# Altium PCB GBA_V1.PcbDoc (part 1 of 4) (continued)
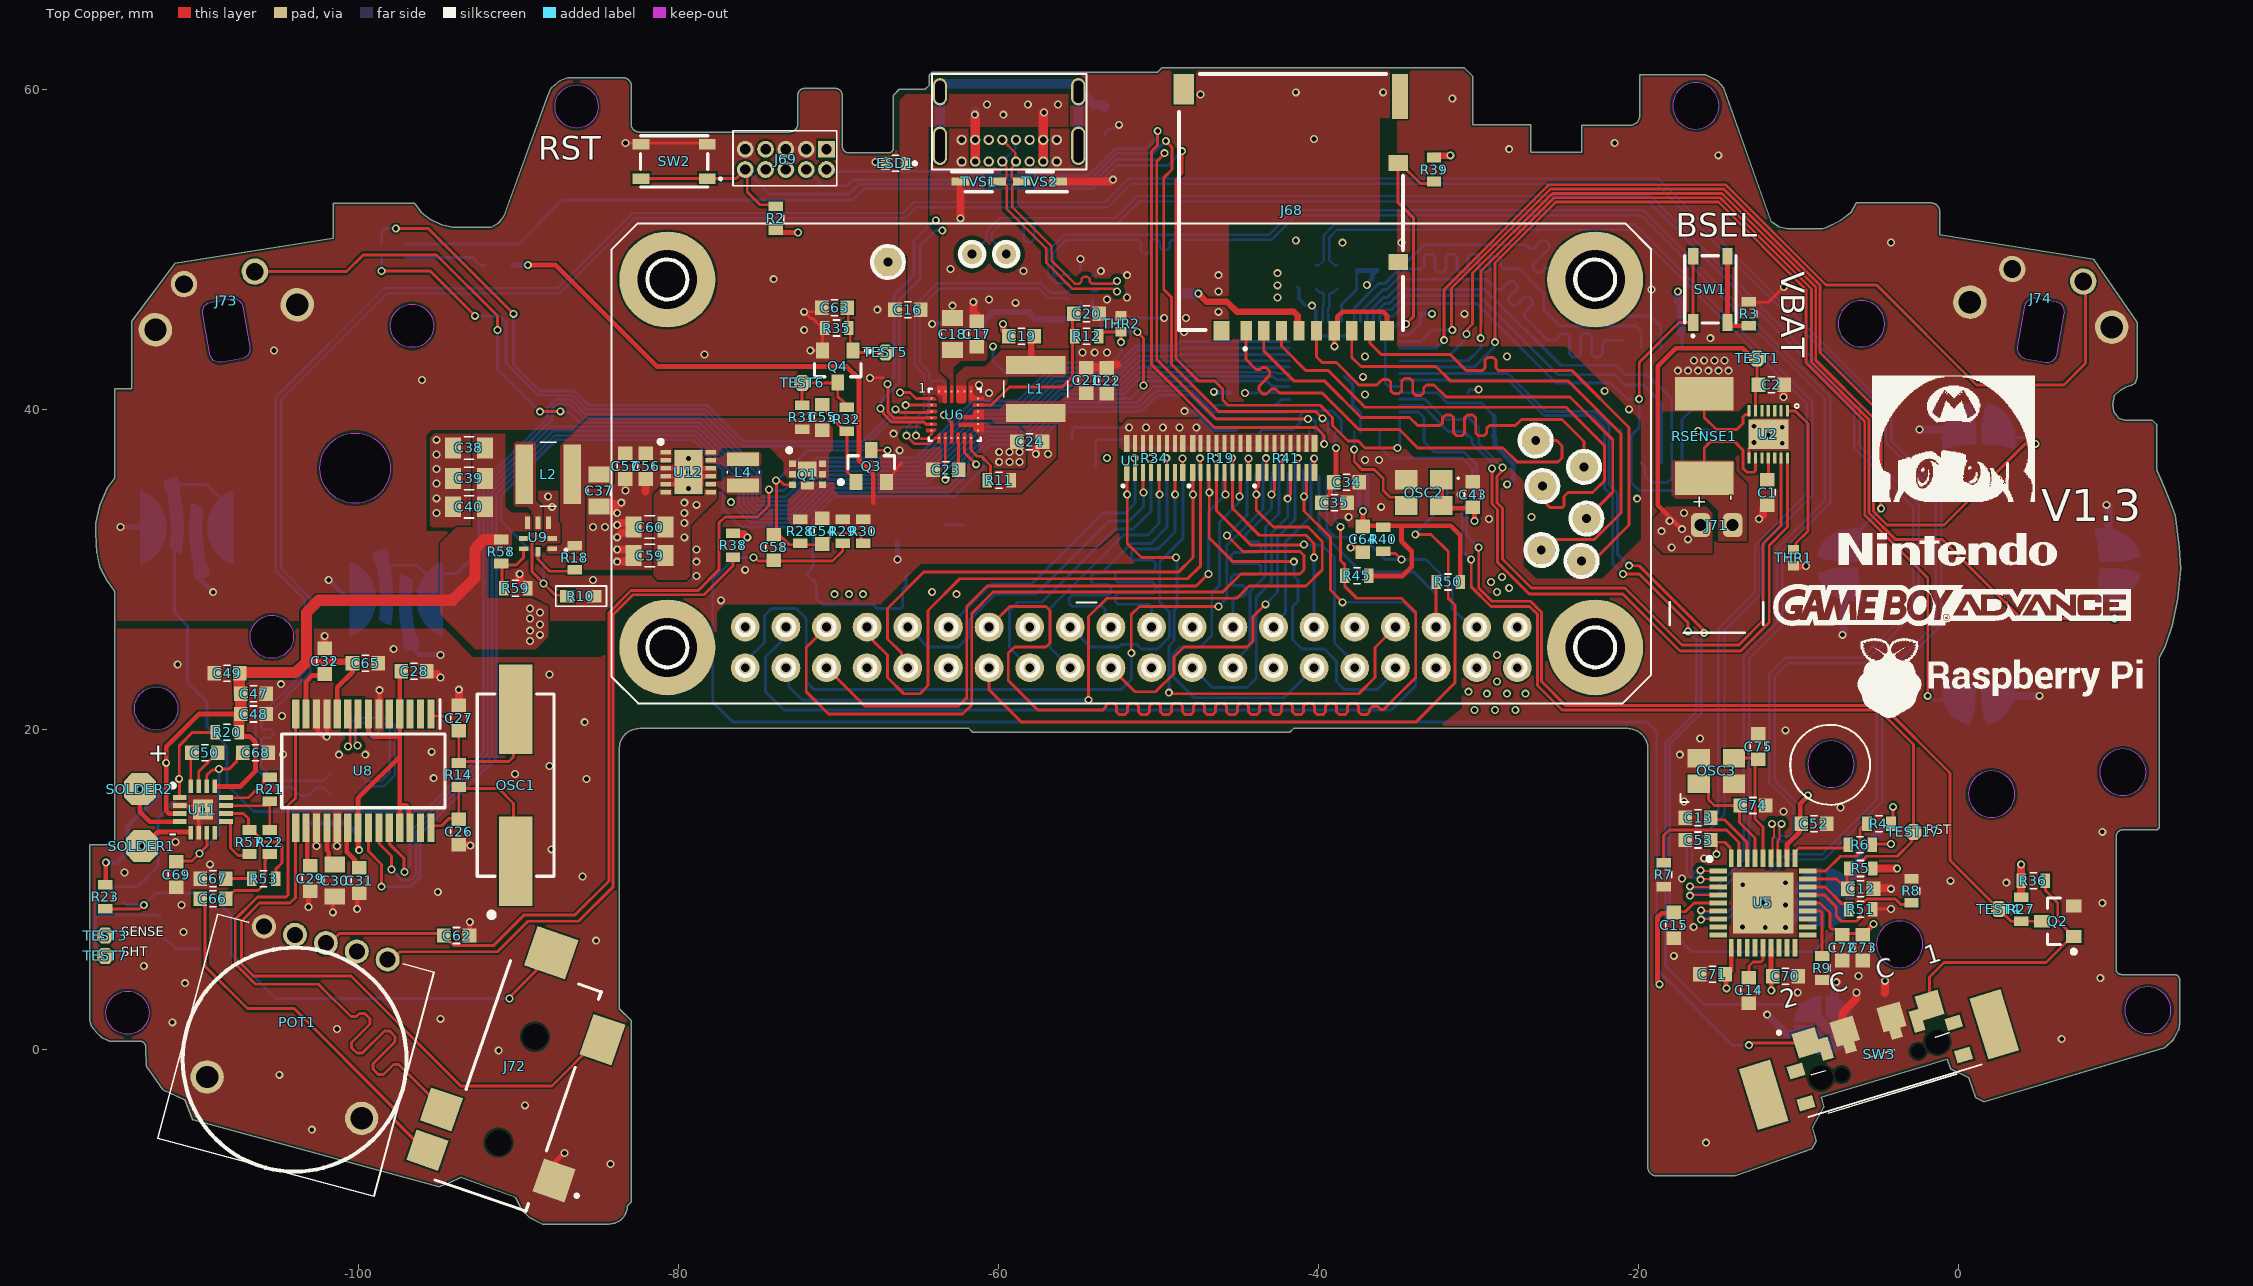
[diagram p0: Top Copper view]
## Classes and differential pairs
component class USBHOST: C12 C13 C14 C15 C52 C53 C70 C71 C72 C73 C74 C75 OSC3 R4 R5 R6 R7 R8 R9 R51 TEST17 U5
net class USB_HUB_LANES: POST_DR_DAC_N POST_DR_DAC_P RPI_USB_N RPI_USB_P USB_D2_N USB_D2_P USB_OUT_PICO_N USB_OUT_PICO_P
net class SDIO/MMC: SDX_CLK SDX_CMD SDX_D0 SDX_D1 SDX_D2 SDX_D3
net class RGB24Bit: DB_0 DB_1 DB_2 DB_3 DB_4 DB_5 DB_6 DB_7 DCLK DG_0 DG_1 DG_2 DG_3 DG_4 DG_5 DG_6 DG_7 DR_0 DR_1 DR_2 DR_3 DR_4 DR_5 DR_6 DR_7 GPIO_2 GPIO_3
net class USB_CHARGER: CHARGER_MUX_N CHARGER_MUX_P CHARGER_N CHARGER_P
net class USB_ZEROW: RPI_USB_N RPI_USB_P
component class GBA: J3 J4 J5 J6 J7 J8 J9 J10 J11 J12 J13 J14 J15 J16 J17 J18 J19 J20 J21 J22 J23 J24 J25 J26 J27 J28 J29 J30 J31 J32 J33 J34 J35 J36 J37 J38 J39 J40 J41 J42 J43 J44 J45 J46 J47 J48 J49 J50 J51 J52 J53 J54 J55 J56 J57 J58 J59 J60 J61 J62 J63 J64 J65 J66
net class USB_LANES_RP2040: USB_OUT_PICO_N USB_OUT_PICO_P USB_PICO_N USB_PICO_P
net class USB_LANES_AUDIO_INTERNAL: DR_DAC_N DR_DAC_P POST_DR_DAC_N POST_DR_DAC_P
net class DIFF90: CHARGER_MUX_N CHARGER_MUX_P CHARGER_N CHARGER_P DR_DAC_N DR_DAC_P POST_DR_DAC_N POST_DR_DAC_P RPI_USB_N RPI_USB_P USB_D2_N USB_D2_P USB_OUT_PICO_N USB_OUT_PICO_P USB_PICO_N USB_PICO_P
component class AUDIO: C26 C27 C28 C29 C30 C31 C32 C47 C48 C49 C50 C51 C65 C66 C67 C68 C69 J72 OSC1 Q5 R14 R15 R16 R17 R20 R21 R22 R23 R24 R53 R57 SOLDER1 SOLDER2 TEST3 TEST7 U8 U11
component class D_PI_USB: C41 C42 C61 C64 D1 FPC1 J4 J5 J6 J7 J8 J9 J10 J11 J12 J13 J14 J15 J16 J17 J18 J19 J20 J21 J22 J23 J24 J25 J26 J27 J28 J29 J30 J31 J32 J33 J34 J35 J36 J37 J38 J39 J40 J41 J42 J43 J44 J45 J46 J47 J48 J49 J50 J51 J52 J53 J54 J55 J56 J57 J58 J59 J60 J61 J62 J63 J64 J65 J66 J68 L5 R19 R25 R34 R39 R40 R41 R42 R45 R50 R52 TEST2 U1 U10
component class MCU: C3 C4 C5 C6 C7 C8 C9 C10 C11 C33 C34 C35 C36 C43 C62 J1 J2 J69 J73 J74 J75 OSC2 POT1 R1 R2 R3 R38 R46 R47 R48 R49 SW1 SW2 U3 U4
component class POWER: B1 C1 C2 C16 C17 C18 C19 C20 C21 C22 C23 C24 C25 C37 C38 C39 C40 C54 C55 C56 C57 C58 C59 C60 C63 ESD1 J70 J71 L1 L2 L3 L4 Q1 Q2 Q3 Q4 R10 R11 R12 R13 R18 R26 R27 R28 R29 R30 R31 R32 R35 R36 R44 R58 R59 RSENSE1 SW3 TEST1 TEST4 TEST5 TEST6 THR1 THR2 TVS1 TVS2 TVS3 U2 U6 U7 U9 U12 U13
differential pair USB_D2: +USB_D2_P -USB_D2_N
differential pair USB_OUT_PICO: +USB_OUT_PICO_P -USB_OUT_PICO_N
differential pair POST_DR_DAC: +POST_DR_DAC_P -POST_DR_DAC_N
differential pair CHARGER: +CHARGER_P -CHARGER_N
differential pair CHARGER_MUX: +CHARGER_MUX_P -CHARGER_MUX_N
differential pair RPI_USB: +RPI_USB_P -RPI_USB_N
differential pair USB_PICO: +USB_PICO_P -USB_PICO_N
differential pair DR_DAC: +DR_DAC_P -DR_DAC_N

## Components (designator, comment, footprint, x,y, rotation, side; value= is the part's Value field where it differs from the comment)
B1 "120OHM 0603 1LN" "R 0603/1608"#1 -53.34,58.039 r90 bottom
C1 "0.47uF 6.3 X5R 0603" "C 0603/1608" -11.938,34.798 r90 top
C2 "0.1uF X7R 10V 0603" "C 0603/1608" -11.684,41.529 r0 top
C3 "0.1uF X7R 25V 0603" "C 0603/1608" -32.766,45.974 r180 bottom
C4 "0.1uF X7R 25V 0603" "C 0603/1608" -44.323,38.735 r0 bottom
C5 "0.1uF X7R 25V 0603" "C 0603/1608" -31.75,41.021 r180 bottom
C6 "0.1uF X7R 25V 0603" "C 0603/1608" -44.704,41.021 r180 bottom
C7 "0.1uF X7R 25V 0603" "C 0603/1608" -44.311,45.201 r180 bottom
C8 "0.1uF X7R 25V 0603" "C 0603/1608" -44.311,46.598 r180 bottom
C9 "0.1uF X7R 25V 0603" "C 0603/1608" -44.327,47.868 r180 bottom
C10 "0.1uF X7R 25V 0603" "C 0603/1608" -37.592,49.53 r90 bottom
C11 "0.1uF X7R 25V 0603" "C 0603/1608" -36.322,49.53 r90 bottom
C12 "0.1uF X7R 25V 0603" "C 0603/1608" -6.096,10.033 r0 top
C13 "0.1uF X7R 25V 0603" "C 0603/1608" -16.256,14.478 r180 top
C14 "0.1uF X7R 25V 0603" "C 0603/1608" -13.081,3.683 r270 top
C15 "0.1uF X7R 25V 0603" "C 0603/1608" -17.78,7.747 r270 top
C16 "2.2uF 25V X5R 0603" "C 0603/1608" -65.659,46.228 r0 top
C17 "10uF 25V X5R 0603" "C 0603/1608" -61.341,44.704 r270 top
C18 "22uF X5R 25V 0805" "C 0805/2012" -62.865,44.704 r270 top
C19 "0.1uF X7R 25V 0603" "C 0603/1608" -58.547,44.577 r0 top
C20 "2.2uF 25V X5R 0603" "C 0603/1608" -54.483,45.974 r0 top
C21 "10uF 25V X5R 0603" "C 0603/1608" -54.508,41.813 r90 top
C22 "10uF 25V X5R 0603" "C 0603/1608" -53.213,41.783 r90 top
C23 "2.2uF 25V X5R 0603" "C 0603/1608" -63.28,36.229 r180 top
C24 "10uF 25V X5R 0603" "C 0603/1608" -58.039,37.973 r0 top
C25 "0.1uF X7R 10V 0603" "C 0603/1608" -55.499,44.831 r270 bottom
C26 "30pF 100V C0G 5%" "C 0603/1608" -93.726,13.589 r270 top
C27 "30pF 100V C0G 5%" "C 0603/1608" -93.726,20.701 r90 top
C28 "1UF 25v X5R 0603" "C 0603/1608" -96.52,23.622 r0 top
C29 "1UF 25v X5R 0603" "C 0603/1608" -102.997,10.668 r90 top
C30 "10uF 16V X7R 0805" "C 0805/2012" -101.473,10.541 r270 top
C31 "1UF 25v X5R 0603" "C 0603/1608" -99.949,10.541 r90 top
C32 "1UF 25v X5R 0603" "C 0603/1608" -102.108,24.257 r270 top
C33 "1UF 25v X5R 0603" "C 0603/1608" -41.302,48.493 r90 bottom
C34 "0.1uF X7R 25V 0603" "C 0603/1608" -38.227,35.433 r0 top
C35 "0.1uF X7R 25V 0603" "C 0603/1608" -38.989,34.163 r0 top
C36 "0.1uF X7R 25V 0603" "C 0603/1608" -18.288,46.609 r180 bottom
C37 "22uF X5R 25V 0805" "C 0805/2012" -84.963,34.925 r270 top
C38 "22uF X5R 25V 0805" "C 0805/2012" -93.091,37.592 r180 top
C39 "22uF X5R 25V 0805" "C 0805/2012" -93.091,35.687 r180 top
C40 "22uF X5R 25V 0805" "C 0805/2012" -93.091,33.909 r180 top
C41 "4.7uF 25V X5R 0603" "C 0603/1608" -65.976,28.385 r0 bottom
C42 "1UF 25v X5R 0603" "C 0603/1608" -62.992,30.48 r270 bottom
C43 "0.1uF X7R 25V 0603" "C 0603/1608" -30.353,34.671 r90 top
C47 "0.1uF X7R 25V 0603" "C 0603/1608" -106.553,22.225 r180 top
C48 "0.1uF X7R 25V 0603" "C 0603/1608" -106.553,20.955 r180 top
C49 "10uF 25V X5R 0603" "C 0603/1608" -108.204,23.495 r0 top
C50 "4.7uF 25V X5R 0603" "C 0603/1608" -109.601,18.542 r0 top
C51 "0.1uF X7R 25V 0603" "C 0603/1608" -109.982,7.112 r90 bottom
C52 "0.1uF X7R 25V 0603" "C 0603/1608" -9.017,14.097 r0 top
C53 "0.1uF X7R 25V 0603" "C 0603/1608" -16.256,13.081 r180 top
C54 "0.1uF X7R 25V 0603" "C 0603/1608" -70.993,32.385 r90 top
C55 "10uF 25V X5R 0603" "C 0603/1608" -70.993,39.497 r90 top
C56 "10uF 25V X5R 0603" "C 0603/1608" -82.042,36.449 r270 top
C57 "10uF 25V X5R 0603" "C 0603/1608" -83.312,36.449 r270 top
C58 "1uF 25V X5R 0603" "C 0603/1608" -74.041,31.369 r90 top
C59 "22uF X5R 25V 0805" "C 0805/2012" -81.788,30.861 r180 top
C60 "22uF X5R 25V 0805" "C 0805/2012" -81.788,32.639 r180 top
C61 "4.7uF 25V X5R 0603" "C 0603/1608" -49.403,47.244 r180 bottom
C62 "0.1uF X7R 25V 0603" "C 0603/1608" -93.853,7.112 r0 top
C63 "10uF 25V X5R 0603" "C 0603/1608" -70.231,46.355 r180 top
C64 "1UF 25v X5R 0603" "C 0603/1608" -37.211,31.877 r270 top
C65 "1UF 25v X5R 0603" "C 0603/1608" -99.568,24.13 r0 top
C66 "0.33uF 25V X7R 0603" "C 0603/1608" -109.093,9.398 r180 top
C67 "0.33uF 25V X7R 0603" "C 0603/1608" -109.093,10.668 r180 top
C68 "0.1uF X7R 25V 0603" "C 0603/1608" -106.426,18.542 r0 top
C69 "10uF 25V X5R 0603" "C 0603/1608" -111.379,10.922 r270 top
C70 "0.1uF X7R 25V 0603" "C 0603/1608" -10.795,4.572 r0 top
C71 "0.1uF X7R 25V 0603" "C 0603/1608" -15.367,4.699 r180 top
C72 "0.1uF X7R 25V 0603" "C 0603/1608" -7.239,6.35 r270 top
C73 "4.7uF 25V X5R 0603" "C 0603/1608" -5.969,6.35 r270 top
C74 "18pF 25V C0G 0603" "C 0603/1608" -12.827,15.24 r0 top
C75 "18pF 25V C0G 0603" "C 0603/1608" -12.486,18.923 r90 top
D1 "40V 250mA SOD323" SOD-323 -65.532,33.147 r180 bottom
ESD1 "TVS VBUS" ESDA8P801U1M -66.421,55.372 r180 top
FPC1 "50Pin TOP 0.5mm" XF2M54151AH -44.196,34.544 r0 bottom locked
J1 "Huella del D-PAD" D-PAD 1.276,30.277 r180 bottom locked
J2 "Huella Buttons" AB_BUTTON -104.173,30.341 r180 bottom locked
J68 "Micro SD CARD with detect switch" DM3AT-SF-PEJM5_1 -41.656,52.459 r180 top locked
J69 "Header 1.27mm 10POS 2 ROW" 20021111-00010T1LF -70.739,56.261 r180 top
J70 "USB C" GCT_USB4085-GF-A_REVA -59.321,59.517 r0 bottom
J71 "JST-PH 2POS" S2B-PH -14.097,32.766 r180 top
J72 "Jack 3.5mm" 35RASMT4BHNTRX -90,-2.24 r71 top
J73 "R/L Shoulder" SHOULDER_BUTTON -108.47,46.99 r10 top
J74 "R/L Shoulder" SHOULDER_BUTTON 5.38,47.15 r350 top
J75 "Start Select Footprint" "START SELECT FOOTPRINT" -8.409,5.504 r180 bottom locked
L1 "1uH 8.7A" TYA40201R0M10 -57.658,41.275 r0 top
L2 "1uH 8.7A" TYA40201R0M10 -88.138,35.941 r270 top
L3 "RGB LED" IN-S66TATRGB -97.79,49.911 r180 bottom
L4 "2.2uH 1.9A" TYA2520102R2M10 -75.946,36.068 r0 top
L5 "10uH 900mA 1210" "L 1210/3225" -69.469,30.988 r90 bottom
OSC1 "12MHZ 18pF" HC/49US-(AT49)_1 -90.17,16.51 r90 top
OSC2 "3.2x2.5mm 12Mhz" ECS3225MV120BNTR -33.401,34.798 r180 top
OSC3 "24Mhz 9pF" "3.2 mm x 2.5 mm(SMD 3225" -15.113,17.399 r0 top
POT1 "Single Pot 10K" RK10J11E0034 -103.328,1.809 r165 top
Q1 "15A 1,8Thresold" DMP1009UFDF-7 -71.931,35.921 r270 top
Q2 "250mA 2.8Thresold" SOT-23-3 6.223,8.001 r180 top
Q3 "800mA 2v Thresold" SOT-23-3 -67.945,36.449 r90 top
Q4 "250mA 2.8Thresold" SOT-23-3 -70.038,42.688 r270 top
Q5 "250mA 2.8Thresold" SOT-23-3 -112.387,7.239 r90 bottom
R1 "10K 1% 1/10W 0603" "R 0603/1608"#1 -15.367,39.243 r270 bottom
R2 "10K 1% 1/10W 0603" "R 0603/1608"#1 -73.914,51.943 r270 top
R3 "1K 1% 1/10W 0603" "R 0603/1608"#1 -13.081,45.974 r270 top
R4 "10K 1% 1/10W 0603" "R 0603/1608"#1 -4.953,14.097 r0 top
R5 "10K 1% 1/10W 0603" "R 0603/1608"#1 -6.096,11.303 r0 top
R6 "100K 1% 1/10W 0603" "R 0603/1608"#1 -6.132,12.792 r0 top
R7 "12K 1% 1/10W 0603" "R 0603/1608"#1 -18.415,10.922 r270 top
R8 "100K 1% 1/10W 0603" "R 0603/1608"#1 -2.921,9.906 r270 top
R9 "100K 1% 1/10W 0603" "R 0603/1608"#1 -8.509,5.08 r90 top
R10 "100K 1% 1/10W 0603" "R 0603/1608"#2 -86.106,28.321 r180 top
R11 "24.9K 1%" "R 0603/1608"#1 -59.944,35.56 r180 top
R12 "10K 1% 1/10W 0603" "R 0603/1608"#1 -54.483,44.577 r180 top
R13 "1M 1% 1/10W 0603" "R 0603/1608"#1 -52.959,45.72 r180 bottom
R14 "1M 1% 1/10W 0603" "R 0603/1608"#1 -93.726,17.145 r90 top
R15 "1.5K 1% 1/10W 0603" "R 0603/1608"#1 -103.378,14.986 r90 bottom
R16 "22Ohm 1% 1/10W 0603" "R 0603/1608"#1 -100.838,17.233 r0 bottom
R17 "22Ohm 1% 1/10W 0603" "R 0603/1608"#1 -100.838,15.963 r0 bottom
R18 "1M 1% 1/10W 0603" "R 0603/1608"#1 -86.487,30.734 r90 top
R19 "Array 4.7K 0402x8" YAG_YC248-M -46.101,36.957 r90 top
R20 "10K 1% 1/10W 0603" "R 0603/1608"#1 -108.204,19.812 r0 top
R21 "20k 0603 1% 1/10W" "R 0603/1608"#1 -105.537,16.256 r90 top
R22 "10K 1% 1/10W 0603" "R 0603/1608"#1 -105.537,12.954 r270 top
R23 "100K 1% 1/10W 0603" "R 0603/1608"#1 -115.824,9.525 r90 top
R24 "49.9K 1% 1/10W 0603" "R 0603/1608"#1 -114.554,8.255 r90 bottom
R25 "100K 1% 1/10W 0603" "R 0603/1608"#2 -72.898,29.718 r0 bottom
R26 "200R 1% 0603" "R 0603/1608"#2 -61.976,45.339 r180 bottom
R27 "10K 1% 1/10W 0603" "R 0603/1608"#1 3.937,8.763 r90 top
R28 "3K 1% 1/10W 0603" "R 0603/1608"#1 -72.39,32.385 r90 top
R29 "10K 1% 1/10W 0603" "R 0603/1608"#1 -69.723,32.385 r90 top
R30 "100K 1% 1/10W 0603" "R 0603/1608"#1 -68.453,32.385 r90 top
R31 "100K 1% 1/10W 0603" "R 0603/1608"#1 -72.263,39.497 r270 top
R32 "300K 1% 1/10 0603" "R 0603/1608"#1 -69.469,39.37 r270 top
R34 "Array 4.7K 0402x8" YAG_YC248-M -50.215,36.957 r90 top
R35 "100K 1% 1/10W 0603" "R 0603/1608"#1 -70.104,45.085 r0 top
R36 "10K 1% 1/10W 0603" "R 0603/1608"#1 4.699,10.541 r180 top
R38 "470Ohm 1% 1/10W 0603" "R 0603/1608"#1 -76.581,31.496 r270 top
R39 "4.7K 1% 1/10W 0603" "R 0603/1608"#1 -32.766,54.991 r270 top
R40 "4.7K 1% 1/10W 0603" "R 0603/1608"#1 -35.941,31.877 r90 top
R41 "Array 4.7K 0402x8" YAG_YC248-M -41.987,36.957 r90 top
R42 "10.2Ohm 1% 0603" "R 0603/1608"#1 -64.516,30.607 r90 bottom
R44 "10K 1% 1/10W 0603" "R 0603/1608"#1 -91.186,49.022 r0 bottom
R45 "4.7K 1% 1/10W 0603" "R 0603/1608"#1 -37.592,29.591 r0 top
R46 "22Ohm 1% 1/10W 0603" "R 0603/1608"#1 -38.846,48.26 r270 bottom
R47 "22Ohm 1% 1/10W 0603" "R 0603/1608"#1 -40.116,48.26 r270 bottom
R48 "4.7K 1% 1/10W 0603" "R 0603/1608"#1 -29.845,39.624 r0 bottom
R49 "4.7K 1% 1/10W 0603" "R 0603/1608"#1 -29.845,38.354 r0 bottom
R50 "4.7K 1% 1/10W 0603" "R 0603/1608"#1 -31.877,29.21 r0 top
R51 "100K 1% 1/10W 0603" "R 0603/1608"#1 -6.096,8.763 r180 top
R52 "4.7K 1% 1/10W 0603" "R 0603/1608"#1 -54.61,38.1 r180 bottom
R53 "10K 1% 1/10W 0603" "R 0603/1608"#1 -105.918,10.668 r180 top
R57 "20k 0603 1% 1/10W" "R 0603/1608"#1 -106.807,12.954 r270 top
R58 "910K 1% 0603" "R 0603/1608"#1 -91.059,31.115 r90 top
R59 "200K 1% 0603" "R 0603/1608"#1 -90.17,28.829 r180 top
RSENSE1 "Sense Resistor 0.01Ohm 3W 2512 1%" R2512 -15.875,35.687 r90 top
SOLDER1 "SMD" SolderPAD -113.538,12.7 r90 top
SOLDER2 "SMD" SolderPAD -113.665,16.256 r90 top
SW1 "Tactile Switch" SKRPACE010 -15.494,47.498 r90 top
SW2 "Tactile Switch" SKRPACE010 -80.264,55.499 r180 top
SW3 "Interruptor ON off original" SWITCH_ORIGINAL -9.464,0.401 r17 top
TEST1 "TestPad" TestPad -12.573,43.18 r90 top
TEST2 "TestPad" TestPad -62.23,32.766 r90 bottom
TEST3 "TestPad" TestPad -115.824,7.112 r90 top
TEST4 "TestPad" TestPad 2.54,8.763 r90 top
TEST5 "TestPad" TestPad -67.056,43.561 r270 top
TEST6 "TestPad" TestPad -72.263,41.656 r270 top
TEST7 "TestPad" TestPad -115.824,5.842 r90 top
TEST17 "TestPad" TestPad -2.794,13.589 r90 top
THR1 "NTC 10K 3380K 0402" "R 0402/1005" -10.287,30.734 r270 top
THR2 "NTC 10K 3380K 0402" "R 0402/1005" -52.324,45.339 r90 top
TVS1 "Bidirectional" SOD2512X110N -61.214,54.229 r0 top
TVS2 "Bidirectional" SOD2512X110N -57.397,54.229 r180 top
TVS3 "5V TVS SOD323-2" SOD-323 -62.484,44.069 r0 bottom
U1 "pi zero 2w" "PI 2 ZERO W - RELEASE" -84.189,51.622 r180 top locked
U2 "Fuel Gauge MAX17260" TDFN14-1.7X2.3MM -11.868,38.432 r270 top
U3 "RP2040" QFN40P700X700X90-57N-D -38.354,42.037 r180 bottom
U4 "16Mbit 133Mhz 8SOIC" SOIC127P790X216-8N -19.177,40.259 r90 bottom
U5 "IC HUB CTLR 2PORT USB 2.0 HS 36S" QFN50P600X600X100-37N-D -12.192,9.144 r0 top
U6 "3A USB C Charger" 21-100385_90-100128_MXM -62.715,39.671 r0 top
U7 "USB Switch" NX3DV221GM115 -54.864,47.625 r90 bottom
U8 "USB DAC" SOP65P780X200-28N -99.695,17.399 r270 top locked
U9 "Boost adjustable 2A" MIC2877AYFTTR -88.773,32.004 r180 top
U10 "BackLight Controller" SOT65P210X110-5N -66.304,30.786 r270 bottom
U11 "Stereo DG 3.3W MONO" QFN50P300X300X80-17N -109.728,14.986 r0 top
U12 "BUCK/BOOST 3V3" SON50P270X300X60-13N -79.378,36.072 r0 top
U13 "Zener 3,3V 350mW" SOT-23-3 -58.039,45.085 r90 bottom

## Footprints (in the part's own frame and the unit in brackets; to place one, negate y for a bottom-side part, rotate by r counter-clockwise, add the part's x,y. Pads: shape width x height; smd on the part's side, far side on the other; paste and mask are expansions set on the pad)
"3.2 mm x 2.5 mm(SMD 3225" [mm] "SMD CRYSTAL 4P"
  rect 1.4x1.15 smd: 1(-1.1,-0.8) 2(1.1,-0.8) 3(1.1,0.8) 4(-1.1,0.8)
  silkscreen extent -2.24,-1.94 -1.74,-1.43, body extent -1.56,-1.29 1.64,1.21, height 0.81
21-100385_90-100128_MXM [mil]
  rect 5x5 smd: 1(-57.36,39.37) 2(-57.36,23.62) 3(-57.36,7.87) 4(-57.36,-7.87) 5(-57.36,-23.62) 6(-57.36,-39.37) 7(-39.37,-57.36) 8(-23.62,-57.36) 9(-7.87,-57.36) 10(7.87,-57.36) 11(23.62,-57.36) 12(39.37,-57.36) 13(57.36,-39.37) 14(57.36,-23.62) 15(57.36,-7.87) 16(57.36,7.87) 17(57.36,23.62) 18(57.36,39.37) 19(39.37,57.36) 20(23.62,57.36) 21(7.87,57.36) 22(-7.87,57.36) 23(-23.62,57.36) 24(-39.37,57.36)
  Top Copper region: 49.26,11.87 70.86,11.87 70.86,-11.87 12.88,-11.87 11.35,-11.57 10.05,-10.7 9.18,-9.4 8.88,-7.87 8.88,-5.87 9.18,-4.34 10.05,-3.04 11.35,-2.17 12.88,-1.87 45.27,-1.87 45.26,7.87 45.56,9.4 46.43,10.7 47.73,11.57
  Top Copper region: 35.37,43.86 35.37,70.86 43.37,70.86 43.37,53.15 53.15,43.37 70.86,43.37 70.86,35.37 43.86,35.37 39.41,35.37 37.88,35.67 36.59,36.54 35.72,37.84 35.41,39.37
  Top Copper region: 3.87,32.56 3.87,70.86 27.62,70.86 27.62,32.56 27.32,31.03 26.45,29.73 25.15,28.87 23.62,28.56 7.87,28.56 6.34,28.87 5.05,29.73 4.18,31.03
  Top Copper region: 47.88,19.62 70.86,19.62 70.86,27.62 47.88,27.62 46.35,27.32 45.05,26.45 44.18,25.15 43.88,23.62 44.18,22.09 45.05,20.79 46.35,19.93
  Top Copper region: 51.65,-43.37 70.86,-43.37 70.86,-19.62 12.88,-19.62 11.35,-19.93 10.05,-20.79 9.18,-22.09 8.88,-23.62 8.88,-25.63 9.18,-27.16 10.05,-28.46 11.35,-29.33 12.88,-29.63 45.27,-29.62 45.27,-36.99
  Top Copper region: 35.37,-70.86 35.37,-46.26 38.83,-46.26 43.37,-50.67 43.37,-70.86
  Top Copper region: 19.62,-47.88 19.62,-70.86 27.62,-70.86 27.62,-47.88 27.32,-46.35 26.45,-45.05 25.15,-44.18 23.62,-43.88 22.09,-44.18 20.79,-45.05 19.93,-46.35
  Top Copper region: 3.87,-47.88 3.87,-70.86 11.87,-70.86 11.87,-47.88 11.57,-46.35 10.7,-45.05 9.4,-44.18 7.87,-43.88 6.34,-44.18 5.05,-45.05 4.18,-46.35
  Top Copper region: -43.37,51.65 -43.37,70.86 -19.62,70.86 -19.62,32.56 -19.93,31.03 -20.79,29.73 -22.09,28.87 -23.62,28.56 -25.63,28.56 -27.16,28.87 -28.46,29.73 -29.33,31.03 -29.63,32.56 -29.62,47.24 -38.96,47.24
  Top Copper region: -47.88,11.87 -70.86,11.87 -70.86,3.87 -47.88,3.87 -46.35,4.18 -45.05,5.05 -44.18,6.34 -43.88,7.87 -44.18,9.4 -45.05,10.7 -46.35,11.57
  Top Copper region: -47.88,27.62 -70.86,27.62 -70.86,19.62 -47.88,19.62 -46.35,19.93 -45.05,20.79 -44.18,22.09 -43.88,23.62 -44.18,25.15 -45.05,26.45 -46.35,27.32
  Top Copper region: -70.86,35.37 -46.26,35.37 -46.26,38.83 -50.67,43.37 -70.86,43.37
  Top Copper region: -3.87,32.56 -3.87,70.86 -11.87,70.86 -11.87,32.56 -11.57,31.03 -10.7,29.73 -9.4,28.87 -7.87,28.56 -6.34,28.87 -5.05,29.73 -4.18,31.03
  Top Copper region: -70.86,-35.37 -46.26,-35.37 -46.26,-38.83 -50.67,-43.37 -70.86,-43.37
  Top Copper region: -47.88,-19.62 -70.86,-19.62 -70.86,-27.62 -47.88,-27.62 -46.35,-27.32 -45.05,-26.45 -44.18,-25.15 -43.88,-23.62 -44.18,-22.09 -45.05,-20.79 -46.35,-19.93
  Top Copper region: -47.88,-3.87 -70.86,-3.87 -70.86,-11.87 -47.88,-11.87 -46.35,-11.57 -45.05,-10.7 -44.18,-9.4 -43.88,-7.87 -44.18,-6.34 -45.05,-5.05 -46.35,-4.18
  Top Copper region: -35.37,-70.86 -35.37,-46.26 -38.83,-46.26 -43.37,-50.67 -43.37,-70.86
  Top Copper region: -70.86,-35.37 -46.26,-35.37 -46.26,-38.83 -50.67,-43.37 -70.86,-43.37
  Top Copper region: -11.87,-22.68 -11.87,-70.86 -3.87,-70.86 -3.87,-22.68 -4.18,-21.15 -5.05,-19.85 -6.34,-18.99 -7.87,-18.68 -9.4,-18.99 -10.7,-19.85 -11.57,-21.15
  Top Copper region: -27.62,-47.88 -27.62,-70.86 -19.62,-70.86 -19.62,-47.88 -19.93,-46.35 -20.79,-45.05 -22.09,-44.18 -23.62,-43.88 -25.15,-44.18 -26.45,-45.05 -27.32,-46.35
  silkscreen extent -64,-64 64,64, body extent -60,-60 60,60, height 10
35RASMT4BHNTRX [mm]
  rect 2.2x2.1 smd: 1(-4.9,-4.05) 2(-3,4.05)
  rect 2.7x2.1 smd: 3(4.4,-4.05)
  rect 2x2.1 smd: 4(-5.7,4.05)
  rect 2.6x2.7 smd: 5(8.5,0.75)
  round 0.8 hole 1.6 unplated: MH1(-3.8,0) MH2(3.2,0)
  silkscreen extent -7.3,-5.8 7.2,3
20021111-00010T1LF [mm]
  rect 1.05x1.05 hole 0.65: 1(0,0)
  round 1.05 hole 0.65: 2(0,1.27) 3(1.27,0) 4(1.27,1.27) 5(2.54,0) 6(2.54,1.27) 7(3.81,0) 8(3.81,1.27) 9(5.08,0) 10(5.08,1.27)
  silkscreen extent -0.64,-1.14 5.84,2.29, body extent -0.63,-1.14 5.71,2.26, height 5.5
AB_BUTTON [mm]
  rect 0.575x1.149 smd paste-1: A_1(4.182,2.298) A_2(8.961,2.298) B_1(-8.915,-2.183) B_2(-4.136,-2.183)
  rect 1.149x0.575 smd paste-1: A_1(7.422,4.595) A_2(5.698,-0.207) B_1(-5.675,0.115) B_2(-7.399,-4.687)
  Top Copper region: 9.451,-0.065 9.451,4.615 8.45,3.942 7.883,2.878 7.883,1.672 8.45,0.608 9.451,-0.065
  Top Copper region: 3.646,4.615 3.646,-0.065 4.647,0.608 5.214,1.672 5.214,2.878 4.647,3.942 3.646,4.615
  Top Copper region: -3.646,-4.546 -3.646,0.134 -4.647,-0.539 -5.214,-1.603 -5.214,-2.809 -4.647,-3.873 -3.646,-4.546
  Top Copper region: -9.451,0.134 -9.451,-4.546 -8.45,-3.873 -7.883,-2.809 -7.883,-1.603 -8.45,-0.539 -9.451,0.134
  Top Copper region: 7.996,5.239 7.169,5.469 6.962,4.871 7.031,4.71 6.916,4.159 6.801,3.516 6.778,2.826 6.755,2.068 6.801,1.31 6.87,0.666 7.008,0.666 7.307,0.781 7.606,0.988 7.582,1.516 7.536,2.114 7.56,2.711 7.628,3.355 7.72,4.067 7.812,4.481 7.973,4.687 7.996,5.239
  Top Copper region: 5.147,-0.781 5.974,-1.011 6.181,-0.414 6.112,-0.253 6.227,0.299 6.342,0.942 6.365,1.631 6.388,2.39 6.342,3.148 6.273,3.791 6.135,3.791 5.836,3.676 5.537,3.47 5.561,2.941 5.607,2.344 5.583,1.746 5.515,1.103 5.423,0.391 5.331,-0.023 5.17,-0.23 5.147,-0.781
  Top Copper region: -5.101,0.758 -5.928,0.988 -6.135,0.391 -6.066,0.23 -6.181,-0.322 -6.296,-0.965 -6.319,-1.654 -6.342,-2.412 -6.296,-3.171 -6.227,-3.814 -6.089,-3.814 -5.79,-3.699 -5.491,-3.492 -5.515,-2.964 -5.561,-2.367 -5.537,-1.769 -5.469,-1.126 -5.377,-0.414 -5.285,0 -5.124,0.207 -5.101,0.758
  Top Copper region: -7.95,-5.262 -7.123,-5.491 -6.916,-4.894 -6.985,-4.733 -6.87,-4.182 -6.755,-3.538 -6.732,-2.849 -6.709,-2.091 -6.755,-1.333 -6.824,-0.689 -6.962,-0.689 -7.261,-0.804 -7.56,-1.011 -7.536,-1.539 -7.49,-2.137 -7.514,-2.734 -7.582,-3.378 -7.674,-4.09 -7.766,-4.503 -7.927,-4.71 -7.95,-5.262
  silkscreen extent -13.76,-11.67 11.42,11.86
"C 0603/1608" [mm]
  rect 0.85x0.9 smd: 1(-0.8,0) 2(0.8,0)
  silkscreen extent -0.2,-0.5 0.2,0.5, body extent -0.8,-0.4 0.8,0.4, height 0.81
"C 0805/2012" [mm]
  rect 1x1.3 smd: 1(-1,0) 2(1,0)
  silkscreen extent -0.3,-0.7 0.3,0.7, body extent -1,-0.62 1,0.62, height 0.81
D-PAD [mm]
  rect 1.039x0.575 smd: DOWN(1.149,-8.444) GND(1.149,8.444)
  rect 0.575x1.149 smd: GND(-8.444,1.149) GND(8.444,-1.149) LEFT(-8.444,-1.149) RIGHT(8.444,1.149)
  rect 1.149x0.575 smd: GND(-1.149,-8.444) UP(-1.149,8.444)
  Top Copper region: 0.161,7.548 0.184,8.697 0.207,8.973 0.253,9.225 0.322,9.524 0.437,9.869 0.529,10.099 0.804,10.029 1.034,9.937 1.241,9.823 1.448,9.685 1.677,9.455 1.861,9.248 1.953,9.064 2.091,8.812 2.183,8.513 2.252,8.168 2.275,7.732 2.275,7.433 2.252,7.226 1.402,7.456 0.643,7.525 0.161,7.548
  Top Copper region: -0.184,7.548 -0.207,8.697 -0.23,8.973 -0.276,9.225 -0.345,9.524 -0.459,9.869 -0.551,10.099 -0.827,10.029 -1.057,9.937 -1.264,9.823 -1.471,9.685 -1.7,9.455 -1.884,9.248 -1.976,9.064 -2.114,8.812 -2.206,8.513 -2.275,8.168 -2.298,7.732 -2.298,7.433 -2.275,7.226 -1.425,7.456 -0.666,7.525 -0.184,7.548
  Top Copper region: -0.161,-7.448 -0.184,-8.597 -0.207,-8.872 -0.253,-9.125 -0.322,-9.424 -0.437,-9.769 -0.529,-9.998 -0.804,-9.929 -1.034,-9.837 -1.241,-9.723 -1.448,-9.585 -1.677,-9.355 -1.861,-9.148 -1.953,-8.964 -2.091,-8.712 -2.183,-8.413 -2.252,-8.068 -2.275,-7.632 -2.275,-7.333 -2.252,-7.126 -1.402,-7.356 -0.643,-7.425 -0.161,-7.448
  Top Copper region: 0.184,-7.448 0.207,-8.597 0.23,-8.872 0.276,-9.125 0.345,-9.424 0.459,-9.769 0.551,-9.998 0.827,-9.929 1.057,-9.837 1.264,-9.723 1.471,-9.585 1.7,-9.355 1.884,-9.148 1.976,-8.964 2.114,-8.712 2.206,-8.413 2.275,-8.068 2.298,-7.632 2.298,-7.333 2.275,-7.126 1.425,-7.356 0.666,-7.425 0.184,-7.448
  Top Copper region: 7.548,-0.161 8.697,-0.184 8.973,-0.207 9.225,-0.253 9.524,-0.322 9.869,-0.437 10.099,-0.529 10.029,-0.804 9.937,-1.034 9.823,-1.241 9.685,-1.448 9.455,-1.677 9.248,-1.861 9.064,-1.953 8.812,-2.091 8.513,-2.183 8.168,-2.252 7.732,-2.275 7.433,-2.275 7.226,-2.252 7.456,-1.402 7.525,-0.643 7.548,-0.161
  Top Copper region: 7.548,0.184 8.697,0.207 8.973,0.23 9.225,0.276 9.524,0.345 9.869,0.459 10.099,0.551 10.029,0.827 9.937,1.057 9.823,1.264 9.685,1.471 9.455,1.7 9.248,1.884 9.064,1.976 8.812,2.114 8.513,2.206 8.168,2.275 7.732,2.298 7.433,2.298 7.226,2.275 7.456,1.425 7.525,0.666 7.548,0.184
  Top Copper region: -7.548,0.161 -8.697,0.184 -8.973,0.207 -9.225,0.253 -9.524,0.322 -9.869,0.437 -10.099,0.529 -10.029,0.804 -9.937,1.034 -9.823,1.241 -9.685,1.448 -9.455,1.677 -9.248,1.861 -9.064,1.953 -8.812,2.091 -8.513,2.183 -8.168,2.252 -7.732,2.275 -7.433,2.275 -7.226,2.252 -7.456,1.402 -7.525,0.643 -7.548,0.161
  Top Copper region: -7.548,-0.184 -8.697,-0.207 -8.973,-0.23 -9.225,-0.276 -9.524,-0.345 -9.869,-0.459 -10.099,-0.551 -10.029,-0.827 -9.937,-1.057 -9.823,-1.264 -9.685,-1.471 -9.455,-1.7 -9.248,-1.884 -9.064,-1.976 -8.812,-2.114 -8.513,-2.206 -8.168,-2.275 -7.732,-2.298 -7.433,-2.298 -7.226,-2.275 -7.456,-1.425 -7.525,-0.666 -7.548,-0.184
  Top Copper keep-out circle w0.102: c-7.941,0 r2.693
  Top Copper keep-out circle w0.102: c0,7.941 r2.693
  Top Copper keep-out circle w0.102: c7.941,0 r2.693
  Top Copper keep-out circle w0.102: c0,-7.941 r2.693
  silkscreen extent -11.21,-16.52 13.53,13.44
DM3AT-SF-PEJM5_1 [mm]
  rect 0.7x1.2 smd: 1(2.85,7.55) 2(1.75,7.55) 3(0.65,7.55) 4(-0.45,7.55) 5(-1.55,7.55) 6(-2.65,7.55) 7(-3.75,7.55) 8(-4.85,7.55)
  rect 1.2x1 smd: 9(-6.65,-2.95) 12(-6.65,3.25)
  rect 0.9x1.2 smd: 10(-5.95,7.55)
  rect 1x1.2 smd: 11(4.4,7.55)
  rect 1x2.8 smd: 13(-6.75,-7.1)
  rect 1.3x1.9 smd: 14(6.75,-7.55)
  silkscreen extent -6.96,-8.51 7.04,8.75, body extent -6.86,-8.53 6.99,7.62, height 1.68
DMP1009UFDF-7 [mm]
  rect 0.4x0.425 smd: 1(-0.67,-0.937) 2(-0.02,-0.937) 3(0.63,-0.937) 4(0.63,0.938) 5(-0.02,0.938) 6(-0.67,0.938)
  rect 0.5x0.82 smd: 7(0.67,0)
  rect 0.95x1.15 smd: 8(-0.345,0)
  silkscreen extent -1.65,-1.27 -1.4,-1.02, body extent -1,-1.02 1,1.06, height 0.65
ECS3225MV120BNTR [mm]
  rect 1.4x1.2 smd: 1(-1.1,-0.8) 2(1.1,-0.8) 3(1.1,0.8) 4(-1.1,0.8)
  silkscreen extent -2.2,-0.95 -2.1,-0.85, body extent -1.68,-1.28 1.68,1.28, height 1.3
ESDA8P801U1M [mm]
  rect 0.55x0.8 smd: 1(-0.625,0) 2(0.625,0)
  silkscreen extent -1.3,-0.5 0.2,0.5
GCT_USB4085-GF-A_REVA [mm] "USB 2.0 Type C Receptacle Dip Type, PCB Top Mount"
  round 0.65 hole 0.4: A1(-2.975,4.025) A4(-2.125,4.025) A5(-1.275,4.025) A6(-0.425,4.025) A7(0.425,4.025) A8(1.275,4.025) A9(2.125,4.025) A12(2.975,4.025) B1(2.975,2.675) B4(2.125,2.675) B5(1.275,2.675) B6(0.425,2.675) B7(-0.425,2.675) B8(-1.275,2.675) B9(-2.125,2.675) B12(-2.975,2.675)
  oval 0.9x1.7 hole 0.6 slot 1.4 at 90 deg: P1(-4.325,-0.335) P1(4.325,-0.335)
  oval 0.9x2.4 hole 0.6 slot 2.1 at 90 deg: P1(-4.325,3.045) P1(4.325,3.045)
  silkscreen extent -4.47,-2.07 4.47,4.58, body extent -4.51,-4.56 4.52,4.61, height 3.46
HC/49US-(AT49)_1 [mm]
  rect 5.6x2.1 smd: 1(-4.75,0) 2(4.75,0)
  silkscreen extent -8.23,-2.4 5.7,2.4, body extent -6.16,-2.35 6.54,2.35, height 4.2
IN-S66TATRGB [mm]
  rect 0.8x0.65 smd: 1(-0.75,0.425) 2(0.75,0.425) 3(-0.75,-0.425) 4(0.75,-0.425)
  silkscreen extent -1.47,0.53 -0.98,1.08
"L 1210/3225" [mm]
  rect 1.2x2.7 smd: 1(-1.35,0) 2(1.35,0)
  silkscreen extent -2.45,-1.48 2.42,1.5, body extent -1.79,-1.35 1.79,1.35, height 2.4
MIC2877AYFTTR [mm]
  rect 0.6x0.3 smd: 1(-0.9,0.72) 2(-0.9,0.07) 6(0.9,0.07) 7(0.9,0.72)
  rect 0.3x0.78 smd: 3(-0.65,-0.9) 4(0,-0.9) 5(0.65,-0.9)
  rect 0.3x0.6 smd: 8(0,0.9)
  silkscreen extent -1.8,0.75 -1.7,0.85, body extent -1,-1 1,1, height 0.7
NX3DV221GM115 [mm]
  rect 0.28x0.792 smd: 1(-0.75,-0.741)
  rect 0.25x0.792 smd: 2(-0.25,-0.741) 3(0.25,-0.741) 4(0.75,-0.741) 6(0.75,0.741) 7(0.25,0.741) 8(-0.25,0.741) 9(-0.75,0.741)
  rect 0.8x0.25 smd: 5(0.95,0) 10(-0.95,0)
  silkscreen extent -1,-1.35 1,0.74, body extent -1,-0.74 1,0.74, height 0.6
"PI 2 ZERO W - RELEASE" [mm]
  round 1.8 hole 0.55: 1(-56.63,25.23) 2(-56.63,27.77) 3(-54.09,25.23) 4(-54.09,27.77) 5(-51.55,25.23) 6(-51.55,27.77) 7(-49.01,25.23) 8(-49.01,27.77) 9(-46.47,25.23) 10(-46.47,27.77) 11(-43.93,25.23) 12(-43.93,27.77) 13(-41.39,25.23) 14(-41.39,27.77) 15(-38.85,25.23) 16(-38.85,27.77) 17(-36.31,25.23) 18(-36.31,27.77) 19(-33.77,25.23) 20(-33.77,27.77) 21(-31.23,25.23) 22(-31.23,27.77) 23(-28.69,25.23) 24(-28.69,27.77) 25(-26.15,25.23) 26(-26.15,27.77) 27(-23.61,25.23) 28(-23.61,27.77) 29(-21.07,25.23) 30(-21.07,27.77) 31(-18.53,25.23) 32(-18.53,27.77) 33(-15.99,25.23) 34(-15.99,27.77) 35(-13.45,25.23) 36(-13.45,27.77) 37(-10.91,25.23) 38(-10.91,27.77) 39(-8.37,25.23) 40(-8.37,27.77) CLK(-60.95,18.45) CMD(-58.2,16.42) DAT0(-58.13,20.42) DAT1(-60.65,21.1) DAT2(-57.78,13.57) DAT3(-60.8,15.22) DM(-24.68,1.92) DP(-22.55,1.92) GND_3(-17.29,2.41)
  round 6 / inner round 0 / far side round 0 hole 3.7 unplated: SH(-61.5,3.5) SH(-61.5,26.5) SH(-3.5,26.5) SH(-3.5,3.5)
  silkscreen extent -65,0 0,30, body extent -65,-0.58 0.8,30, height 8.75
QFN40P700X700X90-57N-D [mm]
  rect 0.85x0.2 smd: 1(-3.45,2.6) 2(-3.45,2.2) 3(-3.45,1.8) 4(-3.45,1.4) 5(-3.45,1) 6(-3.45,0.6) 7(-3.45,0.2) 8(-3.45,-0.2) 9(-3.45,-0.6) 10(-3.45,-1) 11(-3.45,-1.4) 12(-3.45,-1.8) 13(-3.45,-2.2) 14(-3.45,-2.6) 29(3.45,-2.6) 30(3.45,-2.2) 31(3.45,-1.8) 32(3.45,-1.4) 33(3.45,-1) 34(3.45,-0.6) 35(3.45,-0.2) 36(3.45,0.2) 37(3.45,0.6) 38(3.45,1) 39(3.45,1.4) 40(3.45,1.8) 41(3.45,2.2) 42(3.45,2.6)
  rect 0.2x0.85 smd: 15(-2.6,-3.45) 16(-2.2,-3.45) 17(-1.8,-3.45) 18(-1.4,-3.45) 19(-1,-3.45) 20(-0.6,-3.45) 21(-0.2,-3.45) 22(0.2,-3.45) 23(0.6,-3.45) 24(1,-3.45) 25(1.4,-3.45) 26(1.8,-3.45) 27(2.2,-3.45) 28(2.6,-3.45) 43(2.6,3.45) 44(2.2,3.45) 45(1.8,3.45) 46(1.4,3.45) 47(1,3.45) 48(0.6,3.45) 49(0.2,3.45) 50(-0.2,3.45) 51(-0.6,3.45) 52(-1,3.45) 53(-1.4,3.45) 54(-1.8,3.45) 55(-2.2,3.45) 56(-2.6,3.45)
  rect 3.2x3.2 smd: 57(0,0)
  silkscreen extent -3.98,3.1 -3.78,3.3, body extent -3.55,-3.55 3.55,3.55, height 0.9
QFN50P300X300X80-17N [mm]
  rect 0.85x0.3 smd: 1(-1.45,0.75) 2(-1.45,0.25) 3(-1.45,-0.25) 4(-1.45,-0.75) 9(1.45,-0.75) 10(1.45,-0.25) 11(1.45,0.25) 12(1.45,0.75)
  rect 0.3x0.85 smd: 5(-0.75,-1.45) 6(-0.25,-1.45) 7(0.25,-1.45) 8(0.75,-1.45) 13(0.75,1.45) 14(0.25,1.45) 15(-0.25,1.45) 16(-0.75,1.45)
  rect 1.25x1.25 smd: 17(0,0)
  silkscreen extent -2,1.38 -1.75,1.62, body extent -1.55,-1.55 1.55,1.55, height 0.8
QFN50P600X600X100-37N-D [mm]
  rect 1.1x0.3 smd: 1(-2.8,2) 2(-2.8,1.5) 3(-2.8,1) 4(-2.8,0.5) 5(-2.8,0) 6(-2.8,-0.5) 7(-2.8,-1) 8(-2.8,-1.5) 9(-2.8,-2) 19(2.8,-2) 20(2.8,-1.5) 21(2.8,-1) 22(2.8,-0.5) 23(2.8,0) 24(2.8,0.5) 25(2.8,1) 26(2.8,1.5) 27(2.8,2)
  rect 0.3x1.1 smd: 10(-2,-2.8) 11(-1.5,-2.8) 12(-1,-2.8) 13(-0.5,-2.8) 14(0,-2.8) 15(0.5,-2.8) 16(1,-2.8) 17(1.5,-2.8) 18(2,-2.8) 28(2,2.8) 29(1.5,2.8) 30(1,2.8) 31(0.5,2.8) 32(0,2.8) 33(-0.5,2.8) 34(-1,2.8) 35(-1.5,2.8) 36(-2,2.8)
  rect 3.8x3.8 smd: 37(0,0)
  silkscreen extent -3.47,2.63 -3.22,2.87, body extent -3.05,-3.05 3.05,3.05, height 1
R2512 [mm]
  rect 2.11x3.68 smd: 1(0,0) 2(5.29,0)
  body extent -0.56,-1.57 5.74,1.58, height 0.59
"R 0402/1005" [mm]
  rect 0.6x0.7 smd: 1(-0.5,0) 2(0.5,0)
  silkscreen extent -0.05,-0.4 0.05,0.4, body extent -0.51,-0.25 0.51,0.25, height 0.37
"R 0603/1608"#1 [mm]
  rect 0.6x0.9 smd: 1(-0.75,0) 2(0.75,0)
  silkscreen extent -0.2,-0.5 0.2,0.5, body extent -0.8,-0.4 0.8,0.4, height 0.47
"R 0603/1608"#2 [mm]
  rect 0.9x0.8 smd: 1(-0.85,0) 2(0.85,0)
  silkscreen extent -1.61,-0.64 1.56,0.64, body extent -1.3,-0.4 1.3,0.4, height 0.64
RK10J11E0034 [mm]
  round 1.5 hole 1: 1(-4,-5) 2(0,-5) 3(4,-5) 4(-2,-5) 5(2,-5)
  round 2.085 hole 1.39: MH1(-5,5) MH2(5,5)
  silkscreen extent -7,-5 7,9.54, body extent -7,-5.11 7,9.54, height 1.8
S2B-PH [mm]
  rrect50% 1.2x1.5 hole 0.75: 1(2,0) 2(0,0)
  silkscreen extent -1.91,4.83 3.94,6.73, body extent -1.93,-0.84 3.97,6.76, height 4.9
SHOULDER_BUTTON [mm]
  round 1.65 hole 1.1: GND(-2.25,1.25) SW(2.25,1.25)
  round 2.1 hole 1.4: SH(-4.5,-1.25) SH(4.5,-1.25)
SKRPACE010 [mm]
  rect 1.05x0.65 smd: 1(-2.075,1.075) 2(2.075,1.075) 3(-2.075,-1.075) 4(2.075,-1.075)
  silkscreen extent -2.96,-1.6 2.1,1.6, body extent -2.3,-1.6 2.3,1.6, height 2.5
SOD2512X110N [mm]
  rect 1.1x0.5 smd: 1(-1.15,0) 2(1.15,0)
  silkscreen extent -1.7,-0.63 0.85,0.63, body extent -1.3,-0.65 1.3,0.65, height 1
SOD-323 [mm]
  rect 0.8x0.6 smd: 1(-1.25,0) 2(1.25,0)
  silkscreen extent -1.9,-0.58 1.88,0.58, body extent -1.23,-0.63 1.27,0.62, height 0.9
SOIC127P790X216-8N [mm]
  rect 1.65x0.65 smd: 1(-3.6,1.905) 2(-3.6,0.635) 3(-3.6,-0.635) 4(-3.6,-1.905) 5(3.6,-1.905) 6(3.6,-0.635) 7(3.6,0.635) 8(3.6,1.905)
  silkscreen extent -4.43,-2.64 2.42,2.64, body extent -3.95,-2.64 3.95,2.64, height 2.16
SolderPAD [mm]
  oct 2x2 smd paste-2: 1(0,0)
SON50P270X300X60-13N [mm]
  rect 0.65x0.3 smd: 1(-1.4,1.25) 2(-1.4,0.75) 3(-1.4,0.25) 4(-1.4,-0.25) 5(-1.4,-0.75) 6(-1.4,-1.25) 7(1.4,-1.25) 8(1.4,-0.75) 9(1.4,-0.25) 10(1.4,0.25) 11(1.4,0.75) 12(1.4,1.25)
  rect 1.75x2.75 smd: 13(0,0)
  silkscreen extent -1.85,1.78 -1.6,2.02, body extent -1.4,-1.5 1.4,1.5, height 0.6
SOP65P780X200-28N [mm]
  rect 1.8x0.45 smd: 1(-3.55,4.225) 2(-3.55,3.575) 3(-3.55,2.925) 4(-3.55,2.275) 5(-3.55,1.625) 6(-3.55,0.975) 7(-3.55,0.325) 8(-3.55,-0.325) 9(-3.55,-0.975) 10(-3.55,-1.625) 11(-3.55,-2.275) 12(-3.55,-2.925) 13(-3.55,-3.575) 14(-3.55,-4.225) 15(3.55,-4.225) 16(3.55,-3.575) 17(3.55,-2.925) 18(3.55,-2.275) 19(3.55,-1.625) 20(3.55,-0.975) 21(3.55,-0.325) 22(3.55,0.325) 23(3.55,0.975) 24(3.55,1.625) 25(3.55,2.275) 26(3.55,2.925) 27(3.55,3.575) 28(3.55,4.225)
  silkscreen extent -4.45,-5.1 2.3,5.1, body extent -3.9,-5.1 3.9,5.1, height 1.9
SOT65P210X110-5N [mm]
  rect 1.2x0.4 smd: 1(-0.95,0.65) 2(-0.95,0) 3(-0.95,-0.65) 4(0.95,-0.65) 5(0.95,0.65)
  silkscreen extent -1.4,1.14 -1.14,1.4, body extent -1.05,-1 1.05,1, height 1.1
SOT-23-3 [mm] "SOT23, 3-Leads, Body 2.92x1.3mm, Pitch 0.95mm"
  rect 1x0.8 smd: 1(-1,0.95) 2(-1,-0.95) 3(1,0)
  silkscreen extent -1.13,-1.46 0.65,2.02, body extent -1.4,-1.45 1.4,1.45, height 1.3
"START SELECT FOOTPRINT" [mm]
  rect 0.23x0.23 smd: GND(-0.919,-3.263) GND(-0.896,4.756) GND(0.689,-4.871) SEL(-0.069,-4.021) STR(-0.046,3.998)
  rect 0.5x0.5 smd: GND(0.762,3.175)
  Top Copper region: -1.868,4.014 -0.749,4.014 -0.131,4.657 -0.131,5.849 -0.964,5.607 -1.591,5.007 -1.868,4.185 -1.868,4.185
  Top Copper region: -1.846,3.753 -0.744,3.753 0.154,4.65 0.154,5.844 0.281,5.844 1.044,5.561 1.606,4.973 1.854,4.198 1.854,4.198 0.584,4.198 -0.314,3.278 -0.314,2.159 -1.009,2.426 -1.548,2.94 -1.846,3.622 -1.846,3.622
  Top Copper region: -0.053,2.13 -0.053,3.289 0.616,3.982 1.872,3.982 1.624,3.086 0.98,2.415 0.094,2.13 0.094,2.13
  Top Copper region: -1.868,-3.982 -0.749,-3.982 -0.131,-3.339 -0.131,-2.148 -0.964,-2.389 -1.591,-2.989 -1.868,-3.811 -1.868,-3.811
  Top Copper region: -1.846,-4.244 -0.744,-4.244 0.154,-3.346 0.154,-2.153 0.281,-2.153 1.044,-2.435 1.606,-3.024 1.854,-3.799 1.854,-3.799 0.584,-3.799 -0.314,-4.718 -0.314,-5.837 -1.009,-5.57 -1.548,-5.056 -1.846,-4.374 -1.846,-4.374
  Top Copper region: -0.053,-5.866 -0.053,-4.707 0.616,-4.014 1.872,-4.014 1.624,-4.91 0.98,-5.581 0.094,-5.866 0.094,-5.866
  silkscreen extent -5.1,-9.05 5.08,9.01
SWITCH_ORIGINAL [mm]
  rect 1.5x1.6 smd: 1(0,0) 2(2.489,0) 3(5.537,0) 4(8.026,0)
  rect 0.7x1.4 smd: 1(1.002,-0.69) 2(2.502,-0.69) 3(5.502,-0.69) 4(7.002,-0.69)
  round 1.27 hole 1.5 unplated: MH1(0.203,-2.324) MH2(7.823,-2.324)
  round 0.45 hole 0.9 unplated: MH1(1.502,-2.54) MH2(6.502,-2.54)
  rect 1x0.8 smd: MP1(-1.148,-1.49) MP2(-1.148,-3.59) MP3(9.152,-3.59) MP4(9.152,-1.49)
  rect 2x4 smd: SH(-3.518,-2.324) SH(11.544,-2.324)
  silkscreen extent -1.58,-4.6 10.05,1.22, body extent -1.3,-5.25 9.4,-0.35, height 1.41
TDFN14-1.7X2.3MM [mm] "T1433+2C Maxim code"
  rect 0.7x0.2 smd: 1(-1.475,1.2) 2(-1.475,0.8) 3(-1.475,0.4) 4(-1.475,0) 5(-1.475,-0.4) 6(-1.475,-0.8) 7(-1.475,-1.2) 8(1.475,-1.2) 9(1.475,-0.8) 10(1.475,-0.4) 11(1.475,0) 12(1.475,0.4) 13(1.475,0.8) 14(1.475,1.2)
  rect 1.85x2.5 smd: 15(0,0)
  silkscreen extent -1.9,1.65 -1.65,1.9, body extent -1.53,-1.5 1.48,1.5, height 0.73
TestPad [mm]
  oct 1x1 smd paste-2: 1(0,0)
TYA40201R0M10 [mm]
  rect 3.7x1.1 smd: 1(0,1.5) 2(0,-1.5)
  silkscreen extent -2,-0.5 2,0.5, body extent -2,-2 2,2, height 2.2
TYA2520102R2M10 [mm]
  rect 2x0.85 smd: 1(0,0.825) 2(0,-0.825)
  silkscreen extent -1,-0.05 1,0.05, body extent -1,-1.25 1,1.25, height 1.25
XF2M54151AH [mm]
  rect 0.3x1.2 smd: 1(-13.25,-1.25) 2(-12.75,-1.25) 3(-12.25,-1.25) 4(-11.75,-1.25) 5(-11.25,-1.25) 6(-10.75,-1.25) 7(-10.25,-1.25) 8(-9.75,-1.25) 9(-9.25,-1.25) 10(-8.75,-1.25) 11(-8.25,-1.25) 12(-7.75,-1.25) 13(-7.25,-1.25) 14(-6.75,-1.25) 15(-6.25,-1.25) 16(-5.75,-1.25) 17(-5.25,-1.25) 18(-4.75,-1.25) 19(-4.25,-1.25) 20(-3.75,-1.25) 21(-3.25,-1.25) 22(-2.75,-1.25) 23(-2.25,-1.25) 24(-1.75,-1.25) 25(-1.25,-1.25) 26(-0.75,-1.25) 27(-0.25,-1.25) 28(0.25,-1.25) 29(0.75,-1.25) 30(1.25,-1.25) 31(1.75,-1.25) 32(2.25,-1.25) 33(2.75,-1.25) 34(3.25,-1.25) 35(3.75,-1.25) 36(4.25,-1.25) 37(4.75,-1.25) 38(5.25,-1.25) 39(5.75,-1.25) 40(6.25,-1.25) 41(6.75,-1.25) 42(7.25,-1.25) 43(7.75,-1.25) 44(8.25,-1.25) 45(8.75,-1.25) 46(9.25,-1.25) 47(9.75,-1.25) 48(10.25,-1.25) 49(10.75,-1.25) 50(11.25,-1.25) 51(11.75,-1.25) 52(12.25,-1.25) 53(12.75,-1.25) 54(13.25,-1.25)
  rect 1.5x3 smd: 55(-15.2,1.1) 56(15.2,1.1)
  silkscreen extent -17.14,-2.01 14.99,3.58, body extent -17.15,-1.3 17.15,4.2, height 2.05
YAG_YC248-M [mm]
  rect 1.059x0.35 smd paste+0 mask+0: 1(-0.897,1.75) 8(-0.897,-1.75) 9(0.897,-1.75) 16(0.897,1.75)
  rect 1.059x0.256 smd paste+0 mask+0: 2(-0.897,1.25) 3(-0.897,0.75) 4(-0.897,0.25) 5(-0.897,-0.25) 6(-0.897,-0.75) 7(-0.897,-1.25) 10(0.897,-1.25) 11(0.897,-0.75) 12(0.897,-0.25) 13(0.897,0.25) 14(0.897,0.75) 15(0.897,1.25)
  silkscreen extent -1.77,1.96 -1.71,2.02, body extent -0.79,-1.99 0.81,2.01, height 0.45